# Allegro board 8880F5-0825_4.brd (continued)
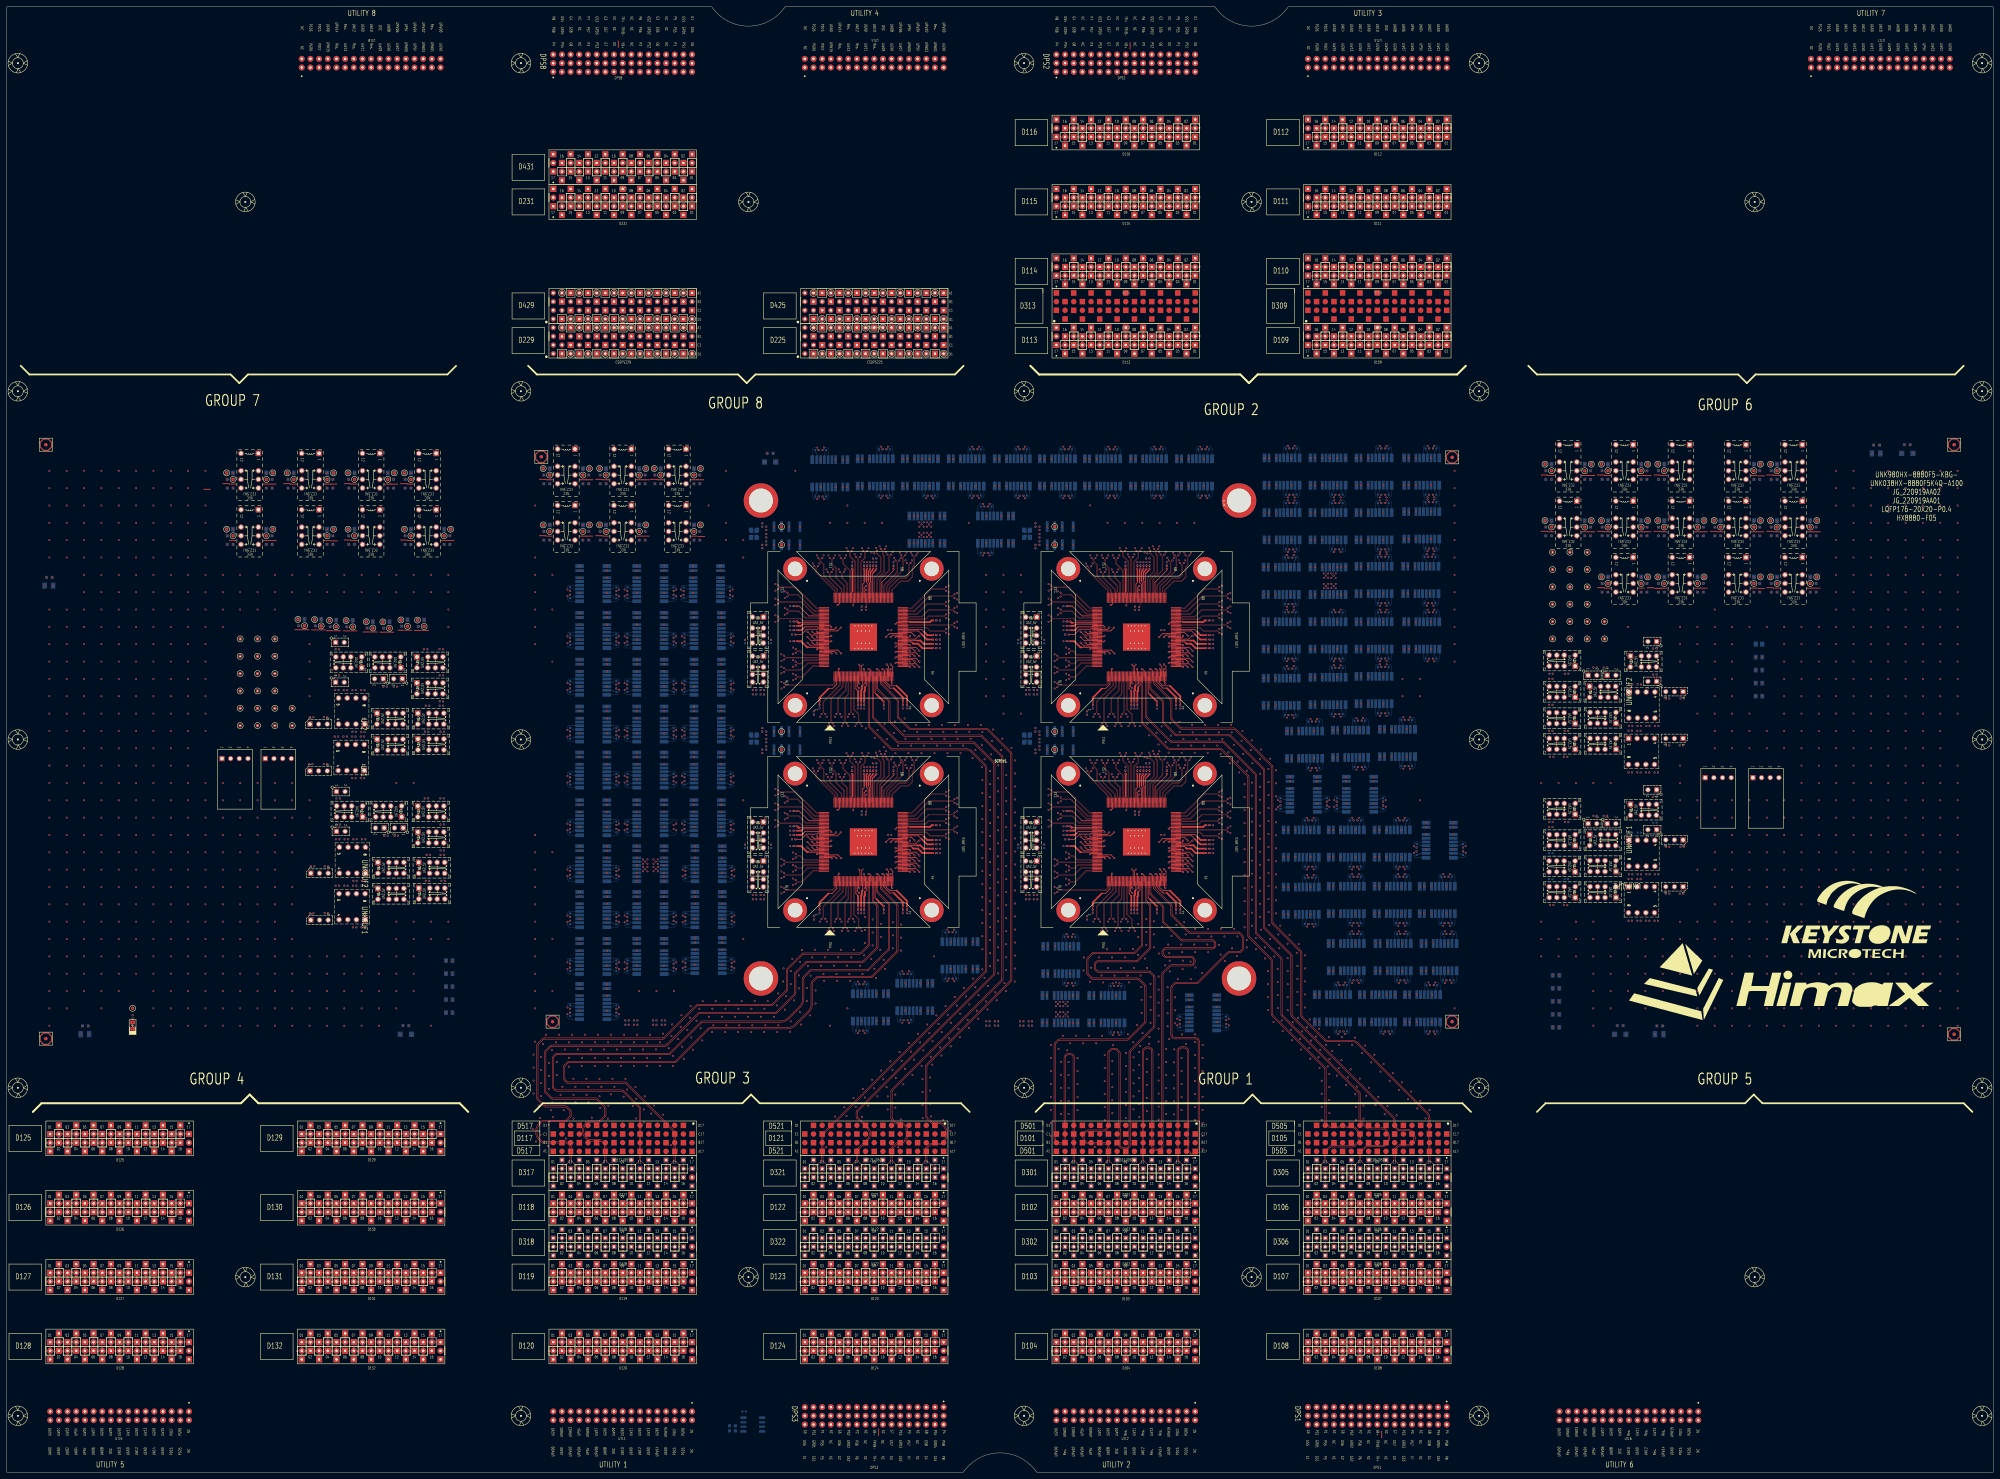
[diagram p0: board, top side]
## Placement (name value [footprint] x y rotation side) (continued)
NOREF#1263  -  []  371.48 241.11 0 top
NOREF#1264  -  []  84.04 287.84 90 top
NOREF#1265  -  []  386.53 164.91 90 top
NOREF#1266  -  []  232.25 271.67 90 top
NOREF#1267  -  []  104.18 191.95 0 top
NOREF#1268  -  []  201.66 199.99 90 top
NOREF#1269  -  []  309.21 248.88 0 top
NOREF#1270  -  []  201.23 201.89 90 top
NOREF#1271  -  []  375.73 199.18 90 top
NOREF#1272  -  []  192.57 256.4 90 top
NOREF#1273  -  []  184.47 186.57 0 top
NOREF#1274  -  []  339.33 265.55 0 top
NOREF#1275  -  []  346.27 129.42 90 top
NOREF#1276  -  []  419.9 272.92 90 top
NOREF#1277  -  []  241.82 227.13 90 top
NOREF#1278  -  []  389.7 209.36 0 top
NOREF#1279  -  []  381.74 297.12 0 top
NOREF#1280  -  []  127.55 184.33 90 top
NOREF#1281  -  []  237.83 197.63 0 top
NOREF#1282  -  []  309.51 243.41 0 top
NOREF#1283  -  []  379.52 188.15 0 top
NOREF#1284  -  []  272.55 243.91 0 top
NOREF#1285  -  []  393.31 131.89 90 top
NOREF#1286  -  []  188.08 289.11 90 top
NOREF#1287  -  []  404.4 257.42 90 top
NOREF#1288  -  []  388.43 146.88 0 top
NOREF#1289  -  []  463.11 186.77 0 top
NOREF#1290  -  []  266.74 272.1 0 top
NOREF#1291  -  []  167.7 187.92 90 top
NOREF#1292  -  []  309.21 186.34 0 top
NOREF#1293  -  []  332.51 204.35 90 top
NOREF#1294  -  []  251.05 264.65 90 top
NOREF#1295  -  []  453.88 239.34 0 top
NOREF#1296  -  []  392.73 171.64 0 top
NOREF#1297  -  []  192.47 175.56 90 top
NOREF#1298  -  []  248.21 132.69 90 top
NOREF#1299  -  []  409.17 297.12 0 top
NOREF#1300  -  []  332.51 264.35 90 top
NOREF#1301  -  []  297.71 276.09 0 top
NOREF#1302  -  []  451.68 239.34 0 top
NOREF#1303  -  []  230.73 187.93 0 top
NOREF#1304  -  []  98.78 195.15 0 top
NOREF#1305  -  []  229.51 253.69 0 top
NOREF#1306  -  []  392.04 241.11 90 top
NOREF#1307  -  []  122.15 187.53 0 top
NOREF#1308  -  []  410.78 131.89 0 top
NOREF#1309  -  []  351.34 249.5 0 top
NOREF#1310  -  []  259.33 205.56 0 top
NOREF#1311  -  []  167.7 244.98 90 top
NOREF#1312  -  []  93.76 287.84 90 top
NOREF#1313  -  []  210.86 201.29 90 top
NOREF#1314  -  []  301.56 242.89 0 top
NOREF#1315  -  []  168.13 132.17 90 top
NOREF#1316  -  []  250.73 204.35 90 top
NOREF#1317  -  []  310.73 249.2 0 top
NOREF#1318  -  []  230.73 243.41 0 top
NOREF#1319  -  []  118.7 222.88 0 top
NOREF#1320  -  []  451.68 214.96 0 top
NOREF#1321  -  []  272.25 182.32 90 top
NOREF#1322  -  []  385.19 232.85 0 top
NOREF#1323  -  []  166.06 135.19 90 top
NOREF#1324  -  []  403.41 209.61 0 top
NOREF#1325  -  []  465.81 222.58 0 top
NOREF#1326  -  []  209.49 162.1 90 top
NOREF#1327  -  []  228.36 262.16 45 top
NOREF#1328  -  []  182.82 216.47 90 top
NOREF#1329  -  []  250.17 165.04 90 top
NOREF#1330  -  []  165.8 199.39 0 top
NOREF#1331  -  []  184.47 192.32 90 top
NOREF#1332  -  []  405.5 241.11 90 top
NOREF#1333  -  []  201.66 227.17 90 top
NOREF#1334  -  []  462.06 277.31 90 top
NOREF#1335  -  []  316.97 139.64 0 top
NOREF#1336  -  []  377.23 289.12 0 top
NOREF#1337  -  []  400.34 194.68 90 top
NOREF#1338  -  []  217.41 213.24 90 top
NOREF#1339  -  []  167.7 256.5 90 top
NOREF#1340  -  []  285.02 288.91 90 top
NOREF#1341  -  []  115.87 167.82 90 top
NOREF#1342  -  []  192.57 147.18 90 top
NOREF#1343  -  []  279.7 155.38 0 top
NOREF#1344  -  []  424.98 146.43 90 top
NOREF#1345  -  []  331.62 265.55 0 top
NOREF#1346  -  []  373.83 192.28 0 top
NOREF#1347  -  []  217.83 234.63 90 top
NOREF#1348  -  []  392.47 224.3 90 top
NOREF#1349  -  []  339.97 264.35 90 top
NOREF#1350  -  []  106.76 222.88 0 top
NOREF#1351  -  []  377.23 241.16 90 top
NOREF#1352  -  []  215.96 248.49 0 top
NOREF#1353  -  []  425.2 161.74 90 top
NOREF#1354  -  []  310.73 193.69 0 top
NOREF#1355  -  []  209.23 230.17 90 top
NOREF#1356  -  []  385.36 194.18 90 top
NOREF#1357  -  []  319.33 243.63 90 top
NOREF#1358  -  []  262.36 165.04 90 top
NOREF#1359  -  []  303.47 154.05 0 top
NOREF#1360  -  []  247.57 204.65 90 top
NOREF#1361  -  []  201.23 227.72 90 top
NOREF#1362  -  []  460.93 210.36 90 top
NOREF#1363  -  []  259.59 133.29 90 top
NOREF#1364  -  []  385.19 224.85 0 top
NOREF#1365  -  []  184.89 213.45 90 top
NOREF#1366  -  []  395.67 133.16 90 top
NOREF#1367  -  []  124.35 222.33 0 top
NOREF#1368  -  []  272.8 145.48 90 top
NOREF#1369  -  []  230.43 193.37 90 top
NOREF#1370  -  []  175.7 250.38 90 top
NOREF#1371  -  []  275.3 155.38 0 top
NOREF#1372  -  []  251.05 205.86 90 top
NOREF#1373  -  []  237.66 164.74 0 top
NOREF#1374  -  []  201.23 214 90 top
NOREF#1375  -  []  168.69 292.55 90 top
NOREF#1376  -  []  175.8 174.36 90 top
NOREF#1377  -  []  118.7 182.93 90 top
NOREF#1378  -  []  239.33 236.03 0 top
NOREF#1379  -  []  302.92 147.32 90 top
NOREF#1380  -  []  419.9 240.66 90 top
NOREF#1381  -  []  230.43 247.61 0 top
NOREF#1382  -  []  304.61 131.64 0 top
NOREF#1383  -  []  107.02 174.04 90 top
NOREF#1384  -  []  263.95 224.74 90 top
NOREF#1385  -  []  247.25 265.56 0 top
NOREF#1386  -  []  450.03 182.17 0 top
NOREF#1387  -  []  336.77 223.82 90 top
NOREF#1388  -  []  331.62 205.56 0 top
NOREF#1389  -  []  465.81 214.96 0 top
NOREF#1390  -  []  253.4 265.56 90 top
NOREF#1391  -  []  106.11 234.24 0 top
NOREF#1392  -  []  194.09 187.32 90 top
NOREF#1393  -  []  192.57 201.79 90 top
NOREF#1394  -  []  184.47 173.11 0 top
NOREF#1395  -  []  260.74 135.19 90 top
NOREF#1396  -  []  406.95 131.44 90 top
NOREF#1397  -  []  35.83 132.61 0 top
NOREF#1398  -  []  256.77 165.04 90 top
NOREF#1399  -  []  271.31 288.86 0 top
NOREF#1400  -  []  352.25 189.82 0 top
NOREF#1401  -  []  373.32 181.42 90 top
NOREF#1402  -  []  451.64 179.06 0 top
NOREF#1403  -  []  184.47 176.66 90 top
NOREF#1404  -  []  375.22 180.15 0 top
NOREF#1405  -  []  330.18 182.88 0 top
NOREF#1406  -  []  326.23 233.13 0 top
NOREF#1407  -  []  263.31 224.72 0 top
NOREF#1408  -  []  518.38 273.87 90 top
NOREF#1409  -  []  184.47 178.86 90 top
NOREF#1410  -  []  343.31 164.74 0 top
NOREF#1411  -  []  106.76 217.73 90 top
NOREF#1412  -  []  303.26 139.64 0 top
NOREF#1413  -  []  300.11 273.24 90 top
NOREF#1414  -  []  271.34 245.18 0 top
NOREF#1415  -  []  175.7 202.99 90 top
NOREF#1416  -  []  199.59 145.03 90 top
NOREF#1417  -  []  271.34 189.5 0 top
NOREF#1418  -  []  258.2 246.67 0 top
NOREF#1419  -  []  351.83 288.91 90 top
NOREF#1420  -  []  201.23 219.75 90 top
NOREF#1421  -  []  382.47 133.16 90 top
NOREF#1422  -  []  167.7 136.27 90 top
NOREF#1423  -  []  175.7 257.6 90 top
NOREF#1424  -  []  318.32 131.64 0 top
NOREF#1425  -  []  118.96 174.04 90 top
NOREF#1426  -  []  229.51 189.2 0 top
NOREF#1427  -  []  351.34 181.37 0 top
NOREF#1428  -  []  310.73 247.93 0 top
NOREF#1429  -  []  451.68 171.53 0 top
NOREF#1430  -  []  272.55 182.64 0 top
NOREF#1431  -  []  253.4 205.56 0 top
NOREF#1432  -  []  200.98 255.15 0 top
NOREF#1433  -  []  413.2 164.91 90 top
NOREF#1434  -  []  22.16 130.26 90 top
NOREF#1435  -  []  451.68 186.77 0 top
NOREF#1436  -  []  369.38 241.11 0 top
NOREF#1437  -  []  387.08 154.88 0 top
NOREF#1438  -  []  309.21 243.09 0 top
NOREF#1439  -  []  396.55 225.11 0 top
NOREF#1440  -  []  456.08 171.53 0 top
NOREF#1441  -  []  459.24 175.86 90 top
NOREF#1442  -  []  373.73 207.21 0 top
NOREF#1443  -  []  251.22 193.63 0 top
NOREF#1444  -  []  296.96 240.71 0 top
NOREF#1445  -  []  217.41 213.24 0 top
NOREF#1446  -  []  453.84 222.5 0 top
NOREF#1447  -  []  251.62 205.56 90 top
NOREF#1448  -  []  410.27 257.37 0 top
NOREF#1449  -  []  381.74 249.11 0 top
NOREF#1450  -  []  412.62 249.11 0 top
NOREF#1451  -  []  194.09 173.86 90 top
NOREF#1452  -  []  184.47 200.54 0 top
NOREF#1453  -  []  201.21 273.5 90 top
NOREF#1454  -  []  401.89 180.15 0 top
NOREF#1455  -  []  112.67 171.02 0 top
NOREF#1456  -  []  310.73 183.41 0 top
NOREF#1457  -  []  223.56 233.86 90 top
NOREF#1458  -  []  375.22 163.39 0 top
NOREF#1459  -  []  229.51 193.69 0 top
NOREF#1460  -  []  314.19 145.5 90 top
NOREF#1461  -  []  194.09 242.18 90 top
NOREF#1462  -  []  473.79 191.06 90 top
NOREF#1463  -  []  223.56 185.29 90 top
NOREF#1464  -  []  330.74 224.74 0 top
NOREF#1465  -  []  310.41 193.37 90 top
NOREF#1466  -  []  485.36 289.48 90 top
NOREF#1467  -  []  394.66 274.38 90 top
NOREF#1468  -  []  332.83 265.86 90 top
NOREF#1469  -  []  192.47 182.06 90 top
NOREF#1470  -  []  483.04 195.66 0 top
NOREF#1471  -  []  247.78 140.14 0 top
NOREF#1472  -  []  252.51 204.35 90 top
NOREF#1473  -  []  167.7 190.12 90 top
NOREF#1474  -  []  381.2 290.39 90 top
NOREF#1475  -  []  352.25 189.18 90 top
NOREF#1476  -  []  234.33 228.13 90 top
NOREF#1477  -  []  400.79 154.88 0 top
NOREF#1478  -  []  257.09 224.74 90 top
NOREF#1479  -  []  247.57 264.65 90 top
NOREF#1480  -  []  115.36 235.64 0 top
NOREF#1481  -  []  518.38 290.38 90 top
NOREF#1482  -  []  331.05 265.86 90 top
NOREF#1483  -  []  511.59 291.28 90 top
NOREF#1484  -  []  352.24 249.18 90 top
NOREF#1485  -  []  374.34 210.38 90 top
NOREF#1486  -  []  175.7 168.6 90 top
NOREF#1487  -  []  273.81 286.96 90 top
NOREF#1488  -  []  405.17 131.89 0 top
NOREF#1489  -  []  251.94 264.65 90 top
NOREF#1490  -  []  379.73 287.22 90 top
NOREF#1491  -  []  461.96 217.98 0 top
NOREF#1492  -  []  210.86 228.47 90 top
NOREF#1493  -  []  295.96 188.49 0 top
NOREF#1494  -  []  298.16 188.49 0 top
NOREF#1495  -  []  401.87 194.18 90 top
NOREF#1496  -  []  352.25 184.23 0 top
NOREF#1497  -  []  122.19 214.79 0 top
NOREF#1498  -  []  339.33 205.55 0 top
NOREF#1499  -  []  209.33 187.82 90 top
NOREF#1500  -  []  406.52 131.89 90 top
NOREF#1501  -  []  230.41 243.09 90 top
NOREF#1502  -  []  351.34 183.91 0 top
NOREF#1503  -  []  378.33 224.6 90 top
NOREF#1504  -  []  330.49 163.52 90 top
NOREF#1505  -  []  296.96 192.14 0 top
NOREF#1506  -  []  301.56 179.06 0 top
NOREF#1507  -  []  396.22 139.89 0 top
NOREF#1508  -  []  330.74 164.72 0 top
NOREF#1509  -  []  384.59 179.7 90 top
NOREF#1510  -  []  182.82 162.12 90 top
NOREF#1511  -  []  11.6 261.68 90 top
NOREF#1512  -  []  398.65 273.11 0 top
NOREF#1513  -  []  389.7 209.36 0 top
NOREF#1514  -  []  107.02 166.42 90 top
NOREF#1515  -  []  184.47 227.72 90 top
NOREF#1516  -  []  352.93 288.86 90 top
NOREF#1517  -  []  415.61 179.97 90 top
NOREF#1518  -  []  226.27 216.63 90 top
NOREF#1519  -  []  450.03 191.31 0 top
NOREF#1520  -  []  412.62 297.12 0 top
NOREF#1521  -  []  182.57 254 90 top
NOREF#1522  -  []  300.01 288.41 90 top
NOREF#1523  -  []  386.46 131.89 0 top
NOREF#1524  -  []  402.06 217.61 0 top
NOREF#1525  -  []  339.33 205.56 90 top
NOREF#1526  -  []  511.59 293.82 90 top
NOREF#1527  -  []  351.34 185.18 0 top
NOREF#1528  -  []  459.28 236.14 90 top
NOREF#1529  -  []  468.01 171.53 0 top
NOREF#1530  -  []  351.04 242.96 0 top
NOREF#1531  -  []  459.28 211.76 0 top
NOREF#1532  -  []  230.73 246.66 0 top
NOREF#1533  -  []  199.59 158.5 90 top
NOREF#1534  -  []  400.54 188.15 0 top
NOREF#1535  -  []  420.37 255.47 90 top
NOREF#1536  -  []  273.09 288.41 90 top
NOREF#1537  -  []  167.7 227.72 90 top
NOREF#1538  -  []  419.47 289.12 90 top
NOREF#1539  -  []  374.08 195.9 90 top
NOREF#1540  -  []  184.47 229.07 90 top
NOREF#1541  -  []  175.7 191.22 90 top
NOREF#1542  -  []  482.64 235.89 90 top
NOREF#1543  -  []  272.25 184.86 90 top
NOREF#1544  -  []  271.34 243.91 0 top
NOREF#1545  -  []  201.23 190.12 90 top
NOREF#1546  -  []  369.63 273.11 0 top
NOREF#1547  -  []  184.47 145.93 90 top
NOREF#1548  -  []  167.7 233.47 90 top
NOREF#1549  -  []  107.76 238.84 0 top
NOREF#1550  -  []  334.61 204.65 90 top
NOREF#1551  -  []  410.27 257.37 0 top
NOREF#1552  -  []  235.85 296.61 0 top
NOREF#1553  -  []  229.21 193.37 0 top
NOREF#1554  -  []  331.38 163.52 90 top
NOREF#1555  -  []  392.24 199.18 90 top
NOREF#1556  -  []  312.25 271.67 90 top
NOREF#1557  -  []  168.13 145.38 90 top
NOREF#1558  -  []  339.65 264.65 90 top
NOREF#1559  -  []  220.36 177.06 0 top
NOREF#1560  -  []  216.96 252.14 0 top
NOREF#1561  -  []  273.95 155.38 0 top
NOREF#1562  -  []  252.83 265.86 90 top
NOREF#1563  -  []  215.96 177.06 0 top
NOREF#1564  -  []  403.41 209.61 0 top
NOREF#1565  -  []  230.83 164.63 0 top
NOREF#1566  -  []  337.9 186.99 0 top
NOREF#1567  -  []  106.76 210.11 90 top
NOREF#1568  -  []  251.33 140.14 0 top
NOREF#1569  -  []  555.66 300.54 90 top
NOREF#1570  -  []  279.27 296.86 0 top
NOREF#1571  -  []  400.24 195.88 90 top
NOREF#1572  -  []  331.62 205.56 90 top
NOREF#1573  -  []  485.36 257.36 90 top
NOREF#1574  -  []  230.73 247.93 0 top
NOREF#1575  -  []  310.73 246.66 0 top
NOREF#1576  -  []  253.33 181.33 90 top
NOREF#1577  -  []  340.83 174.63 90 top
NOREF#1578  -  []  384.36 131.89 0 top
NOREF#1579  -  []  459.28 168.33 90 top
NOREF#1580  -  []  225.83 264.31 0 top
NOREF#1581  -  []  387.39 249.11 0 top
NOREF#1582  -  []  346.08 296.86 0 top
NOREF#1583  -  []  449.99 217.9 0 top
NOREF#1584  -  []  397.8 179.6 90 top
NOREF#1585  -  []  381.2 226.12 90 top
NOREF#1586  -  []  167.7 229.07 90 top
NOREF#1587  -  []  399.8 207.46 90 top
NOREF#1588  -  []  299.59 288.86 90 top
NOREF#1589  -  []  554.86 298.45 0 top
NOREF#1590  -  []  352.25 183.59 90 top
NOREF#1591  -  []  230.73 193.69 0 top
NOREF#1592  -  []  271.34 189.5 0 top
NOREF#1593  -  []  390.53 163.64 0 top
NOREF#1594  -  []  237.66 164.72 0 top
NOREF#1595  -  []  237.98 165.04 90 top
NOREF#1596  -  []  463.61 179.15 0 top
NOREF#1597  -  []  412.6 161.74 0 top
NOREF#1598  -  []  210.6 255.9 90 top
NOREF#1599  -  []  342.36 165.04 90 top
NOREF#1600  -  []  209.23 209.49 90 top
NOREF#1601  -  []  418.12 289.12 0 top
NOREF#1602  -  []  371.73 289.12 0 top
NOREF#1603  -  []  450.03 210.36 0 top
NOREF#1604  -  []  118.45 231.77 0 top
NOREF#1605  -  []  528.1 273.87 90 top
NOREF#1606  -  []  453.88 214.96 0 top
NOREF#1607  -  []  310.43 253.37 0 top
NOREF#1608  -  []  250.73 265.56 0 top
NOREF#1609  -  []  310.41 253.37 90 top
NOREF#1610  -  []  463.11 186.77 0 top
NOREF#1611  -  []  396.55 241.11 0 top
NOREF#1612  -  []  106.18 160.58 90 top
NOREF#1613  -  []  459.28 192.71 90 top
NOREF#1614  -  []  418.12 257.42 90 top
NOREF#1615  -  []  333.33 241.33 90 top
NOREF#1616  -  []  36.1 129.71 90 top
NOREF#1617  -  []  167.7 241.43 0 top
NOREF#1618  -  []  329.28 165.04 90 top
NOREF#1619  -  []  246.23 173.13 0 top
NOREF#1620  -  []  328.33 187.93 0 top
NOREF#1621  -  []  319.33 236.03 0 top
NOREF#1622  -  []  298.16 248.49 0 top
NOREF#1623  -  []  311.15 219.63 90 top
NOREF#1624  -  []  405.93 240.56 90 top
NOREF#1625  -  []  388.43 146.88 0 top
NOREF#1626  -  []  251.94 205.86 90 top
NOREF#1627  -  []  223.15 271.32 90 top
NOREF#1628  -  []  352.24 249.18 90 top
NOREF#1629  -  []  352.55 242.64 0 top
NOREF#1630  -  []  239.33 176.03 90 top
NOREF#1631  -  []  397.8 146.43 90 top
NOREF#1632  -  []  257.9 246.35 90 top
NOREF#1633  -  []  254.29 264.35 90 top
NOREF#1634  -  []  333.72 205.86 90 top
NOREF#1635  -  []  310.43 253.37 90 top
NOREF#1636  -  []  304.82 146.05 0 top
NOREF#1637  -  []  184.47 165.4 90 top
NOREF#1638  -  []  261.63 195.43 90 top
NOREF#1639  -  []  175.8 187.82 90 top
NOREF#1640  -  []  405.93 224.66 90 top
NOREF#1641  -  []  341.48 286.96 0 top
NOREF#1642  -  []  165.8 199.39 90 top
NOREF#1643  -  []  392.24 194.78 90 top
NOREF#1644  -  []  409.74 163.69 90 top
NOREF#1645  -  []  468.01 179.15 0 top
NOREF#1646  -  []  385.61 208.66 90 top
NOREF#1647  -  []  406.65 255.47 90 top
NOREF#1648  -  []  304.65 211.67 0 top
NOREF#1649  -  []  168.13 199.99 90 top
NOREF#1650  -  []  272.24 242.32 90 top
NOREF#1651  -  []  175.7 243.88 90 top
NOREF#1652  -  []  376.98 257.11 0 top
NOREF#1653  -  []  552.76 299.72 0 top
NOREF#1654  -  []  124.1 231.22 0 top
NOREF#1655  -  []  108.01 222.33 0 top
NOREF#1656  -  []  409.17 249.11 0 top
NOREF#1657  -  []  301.56 250.49 0 top
NOREF#1658  -  []  390.53 171.64 0 top
NOREF#1659  -  []  200.98 255.15 90 top
NOREF#1660  -  []  100.73 238.84 0 top
NOREF#1661  -  []  184.89 240.88 90 top
NOREF#1662  -  []  406.19 171.64 0 top
NOREF#1663  -  []  265.64 280.1 0 top
NOREF#1664  -  []  201.23 229.07 90 top
NOREF#1665  -  []  392.47 288.67 90 top
NOREF#1666  -  []  408.92 265.37 0 top
NOREF#1667  -  []  379.01 288.67 90 top
NOREF#1668  -  []  199.33 212.85 90 top
NOREF#1669  -  []  456.08 195.91 0 top
NOREF#1670  -  []  383.09 241.11 0 top
NOREF#1671  -  []  257.9 246.99 0 top
NOREF#1672  -  []  230.41 188.88 90 top
NOREF#1673  -  []  319.33 176.03 0 top
NOREF#1674  -  []  383.09 224.85 0 top
NOREF#1675  -  []  393.19 271.21 90 top
NOREF#1676  -  []  383.09 224.85 0 top
NOREF#1677  -  []  392.04 289.12 90 top
NOREF#1678  -  []  377.23 257.16 90 top
NOREF#1679  -  []  377.32 163.39 0 top
NOREF#1680  -  []  415.1 163.64 0 top
NOREF#1681  -  []  337.09 164.74 90 top
NOREF#1682  -  []  272.24 243.59 90 top
NOREF#1683  -  []  201.91 172.56 90 top
NOREF#1684  -  []  216.96 192.14 0 top
NOREF#1685  -  []  352.25 245.5 0 top
NOREF#1686  -  []  295.96 177.06 0 top
NOREF#1687  -  []  240.5 288.61 0 top
NOREF#1688  -  []  194.09 146.68 90 top
NOREF#1689  -  []  398.65 241.11 0 top
NOREF#1690  -  []  451.68 230.2 0 top
NOREF#1691  -  []  272.24 249.18 90 top
NOREF#1692  -  []  381.2 258.38 90 top
NOREF#1693  -  []  199.33 226.57 90 top
NOREF#1694  -  []  412.37 257.37 0 top
NOREF#1695  -  []  415.6 146.88 0 top
NOREF#1696  -  []  263.14 282 0 top
NOREF#1697  -  []  422.95 163.69 90 top
NOREF#1698  -  []  316.43 132.91 90 top
NOREF#1699  -  []  284.77 146.93 90 top
NOREF#1700  -  []  331.94 204.65 90 top
NOREF#1701  -  []  211.11 146.93 90 top
NOREF#1702  -  []  264.29 280.1 0 top
NOREF#1703  -  []  318.32 131.64 0 top
NOREF#1704  -  []  383.73 195.88 90 top
NOREF#1705  -  []  419.9 272.82 90 top
NOREF#1706  -  []  192.47 216.45 90 top
NOREF#1707  -  []  175.7 209.49 90 top
NOREF#1708  -  []  194.09 255.9 90 top
NOREF#1709  -  []  471.59 130.36 90 top
NOREF#1710  -  []  250.18 182.88 0 top
NOREF#1711  -  []  263.85 273.37 90 top
NOREF#1712  -  []  390.94 273.16 90 top
NOREF#1713  -  []  192.57 228.97 90 top
NOREF#1714  -  []  378.75 224.15 90 top
NOREF#1715  -  []  108.27 178.64 0 top
NOREF#1716  -  []  251.38 164.74 90 top
NOREF#1717  -  []  342.68 163.52 90 top
NOREF#1718  -  []  230.43 194.01 0 top
NOREF#1719  -  []  465.45 290.38 90 top
NOREF#1720  -  []  93.76 273.87 90 top
NOREF#1721  -  []  182.82 257.62 90 top
NOREF#1722  -  []  352.55 182.64 0 top
NOREF#1723  -  []  309.51 183.41 0 top
NOREF#1724  -  []  331.62 265.56 90 top
NOREF#1725  -  []  318.45 257.01 0 top
NOREF#1726  -  []  317.57 209.63 90 top
NOREF#1727  -  []  399.99 164.91 90 top
NOREF#1728  -  []  167.7 178.86 90 top
NOREF#1729  -  []  230.43 248.88 0 top
NOREF#1730  -  []  249.85 164.72 0 top
NOREF#1731  -  []  251.62 205.56 0 top
NOREF#1732  -  []  284.79 272.65 90 top
NOREF#1733  -  []  220.36 188.49 0 top
NOREF#1734  -  []  410.52 273.37 0 top
NOREF#1735  -  []  35.83 128.17 90 top
NOREF#1736  -  []  342.08 290.13 90 top
NOREF#1737  -  []  209.23 236.67 90 top
NOREF#1738  -  []  201.49 174.46 90 top
NOREF#1739  -  []  312.79 288.86 90 top
NOREF#1740  -  []  271.34 183.91 0 top
NOREF#1741  -  []  175.7 259.8 90 top
NOREF#1742  -  []  339.65 204.65 90 top
NOREF#1743  -  []  403.99 180.15 0 top
NOREF#1744  -  []  241.6 296.61 0 top
NOREF#1745  -  []  310.43 243.09 0 top
NOREF#1746  -  []  398.65 249.11 0 top
NOREF#1747  -  []  112.67 178.64 0 top
NOREF#1748  -  []  396.55 257.37 0 top
NOREF#1749  -  []  341.63 173.83 90 top
NOREF#1750  -  []  394.05 223.21 0 top
NOREF#1751  -  []  271.04 181.69 0 top
NOREF#1752  -  []  326.43 288.31 90 top
NOREF#1753  -  []  390.94 289.17 90 top
NOREF#1754  -  []  312.25 211.67 90 top
NOREF#1755  -  []  397.8 163.19 90 top
NOREF#1756  -  []  188.08 291.65 90 top
NOREF#1757  -  []  412.62 273.37 0 top
NOREF#1758  -  []  229.05 271.67 0 top
NOREF#1759  -  []  369.38 241.11 0 top
NOREF#1760  -  []  199.59 243.9 90 top
NOREF#1761  -  []  104.18 191.95 90 top
NOREF#1762  -  []  182.82 243.9 90 top
NOREF#1763  -  []  354.27 134.07 90 top
NOREF#1764  -  []  108.27 178.64 0 top
NOREF#1765  -  []  310.43 187.61 0 top
NOREF#1766  -  []  98.53 238.84 0 top
NOREF#1767  -  []  175.7 189.02 90 top
NOREF#1768  -  []  405.93 256.92 90 top
NOREF#1769  -  []  339.33 264.35 90 top
NOREF#1770  -  []  559.43 297.18 90 top
NOREF#1771  -  []  167.7 134.07 90 top
NOREF#1772  -  []  221.56 231.46 0 top
NOREF#1773  -  []  293.31 272.1 0 top
NOREF#1774  -  []  230.43 187.61 90 top
NOREF#1775  -  []  167.7 233.47 90 top
NOREF#1776  -  []  184.47 214 0 top
NOREF#1777  -  []  391.96 131.89 0 top
NOREF#1778  -  []  103.93 235.64 0 top
NOREF#1779  -  []  199.33 240.28 90 top
NOREF#1780  -  []  216.96 240.71 0 top
NOREF#1781  -  []  184.47 255.15 0 top
NOREF#1782  -  []  194.09 201.29 90 top
NOREF#1783  -  []  168.69 276.04 90 top
NOREF#1784  -  []  258.35 288.91 90 top
NOREF#1785  -  []  165.8 226.57 0 top
NOREF#1786  -  []  201.23 241.43 90 top
NOREF#1787  -  []  222.11 180.71 0 top
NOREF#1788  -  []  420.62 287.22 90 top
NOREF#1789  -  []  264.29 272.1 90 top
NOREF#1790  -  []  127.7 231.22 0 top
NOREF#1791  -  []  247.57 204.65 90 top
NOREF#1792  -  []  247.25 205.55 0 top
NOREF#1793  -  []  338.2 186.67 0 top
NOREF#1794  -  []  352.24 183.59 90 top
NOREF#1795  -  []  411.99 161.74 90 top
NOREF#1796  -  []  314.33 168.13 90 top
NOREF#1797  -  []  270.04 135.24 90 top
NOREF#1798  -  []  352.25 241.69 0 top
NOREF#1799  -  []  381.86 129.99 0 top
NOREF#1800  -  []  481.96 273.87 90 top
NOREF#1801  -  []  118.33 289.48 90 top
NOREF#1802  -  []  127.55 191.95 90 top
NOREF#1803  -  []  263.63 165.04 90 top
NOREF#1804  -  []  93.76 271.33 90 top
NOREF#1805  -  []  419.4 171.64 0 top
NOREF#1806  -  []  75.98 287.84 90 top
NOREF#1807  -  []  118.33 273.87 90 top
NOREF#1808  -  []  392.47 288.57 90 top
NOREF#1809  -  []  348.28 296.86 0 top
NOREF#1810  -  []  108.27 171.02 0 top
NOREF#1811  -  []  334.61 265.86 90 top
NOREF#1812  -  []  343.2 232.26 90 top
NOREF#1813  -  []  270.04 280.1 0 top
NOREF#1814  -  []  330.73 265.55 0 top
NOREF#1815  -  []  511.59 259.9 90 top
NOREF#1816  -  []  236.27 289.16 90 top
NOREF#1817  -  []  251.06 223.82 90 top
NOREF#1818  -  []  396.03 163.64 0 top
NOREF#1819  -  []  352.55 189.5 0 top
NOREF#1820  -  []  249.6 164.74 90 top
NOREF#1821  -  []  167.7 200.54 90 top
NOREF#1822  -  []  308.36 262.16 45 top
NOREF#1823  -  []  115.61 191.95 0 top
NOREF#1824  -  []  259.33 205.55 0 top
NOREF#1825  -  []  286.12 288.86 90 top
NOREF#1826  -  []  209.23 222.95 90 top
NOREF#1827  -  []  182.82 230.19 90 top
NOREF#1828  -  []  252.51 265.56 90 top
NOREF#1829  -  []  461.96 166.93 0 top
NOREF#1830  -  []  272.25 181.69 0 top
NOREF#1831  -  []  400.85 249.11 0 top
NOREF#1832  -  []  106.36 190.55 0 top
NOREF#1833  -  []  168.13 172.56 90 top
NOREF#1834  -  []  352.24 189.18 90 top
NOREF#1835  -  []  396.55 241.11 0 top
NOREF#1836  -  []  450.03 225.6 0 top
NOREF#1837  -  []  201.23 247.18 90 top
NOREF#1838  -  []  472.86 174.55 90 top
NOREF#1839  -  []  118.74 215.34 0 top
NOREF#1840  -  []  371.48 224.6 0 top
NOREF#1841  -  []  332.61 296.86 0 top
NOREF#1842  -  []  310.43 188.88 90 top
NOREF#1843  -  []  351.34 242.64 0 top
NOREF#1844  -  []  383.83 209.11 0 top
NOREF#1845  -  []  380.59 287.22 0 top
NOREF#1846  -  []  167.7 219.75 90 top
NOREF#1847  -  []  326.23 173.13 0 top
NOREF#1848  -  []  250.17 225.04 90 top
NOREF#1849  -  []  415.61 185.72 90 top
NOREF#1850  -  []  405.93 288.67 90 top
NOREF#1851  -  []  224.65 271.67 0 top
NOREF#1852  -  []  107.02 179.19 0 top
NOREF#1853  -  []  108.01 195.15 0 top
NOREF#1854  -  []  292.74 296.86 0 top
NOREF#1855  -  []  369.38 257.11 0 top
NOREF#1856  -  []  331.94 265.86 90 top
NOREF#1857  -  []  308.14 296.86 0 top
NOREF#1858  -  []  331.05 264.65 90 top
NOREF#1859  -  []  283.21 282 0 top
NOREF#1860  -  []  112.41 195.15 0 top
NOREF#1861  -  []  167.7 215.35 90 top
NOREF#1862  -  []  177.33 228.47 90 top
NOREF#1863  -  []  397.3 209.36 0 top
NOREF#1864  -  []  461.96 166.93 0 top
NOREF#1865  -  []  398.65 233.11 0 top
NOREF#1866  -  []  384.08 209.16 90 top
NOREF#1867  -  []  230.73 189.2 0 top
NOREF#1868  -  []  390.59 195.9 90 top
NOREF#1869  -  []  385.32 178.25 90 top
NOREF#1870  -  []  209.08 256.4 90 top
NOREF#1871  -  []  310.83 224.63 0 top
NOREF#1872  -  []  192.57 242.68 90 top
NOREF#1873  -  []  383.73 202.38 90 top
NOREF#1874  -  []  259.33 205.55 0 top
NOREF#1875  -  []  249.85 224.74 0 top
NOREF#1876  -  []  201.23 227.72 0 top
NOREF#1877  -  []  192.47 259.8 90 top
NOREF#1878  -  []  343.95 223.52 90 top
NOREF#1879  -  []  248.33 247.93 0 top
NOREF#1880  -  []  182.57 185.42 0 top
NOREF#1881  -  []  264.72 272.65 90 top
NOREF#1882  -  []  319.33 236.03 90 top
NOREF#1883  -  []  229.51 187.93 0 top
NOREF#1884  -  []  167.7 204.09 90 top
NOREF#1885  -  []  409.74 146.88 0 top
NOREF#1886  -  []  397.8 146.33 90 top
NOREF#1887  -  []  390.69 224.85 0 top
NOREF#1888  -  []  330.17 225.04 90 top
NOREF#1889  -  []  182.82 148.4 90 top
NOREF#1890  -  []  215.96 188.49 0 top
NOREF#1891  -  []  343.63 225.04 90 top
NOREF#1892  -  []  184.89 254.6 90 top
NOREF#1893  -  []  209.23 189.02 90 top
NOREF#1894  -  []  266.49 143.19 0 top
NOREF#1895  -  []  471.11 186.77 0 top
NOREF#1896  -  []  339.65 204.65 90 top
NOREF#1897  -  []  396.28 163.69 90 top
